# Altium PCB MB1137.PcbDoc (part 1 of 4) (continued)
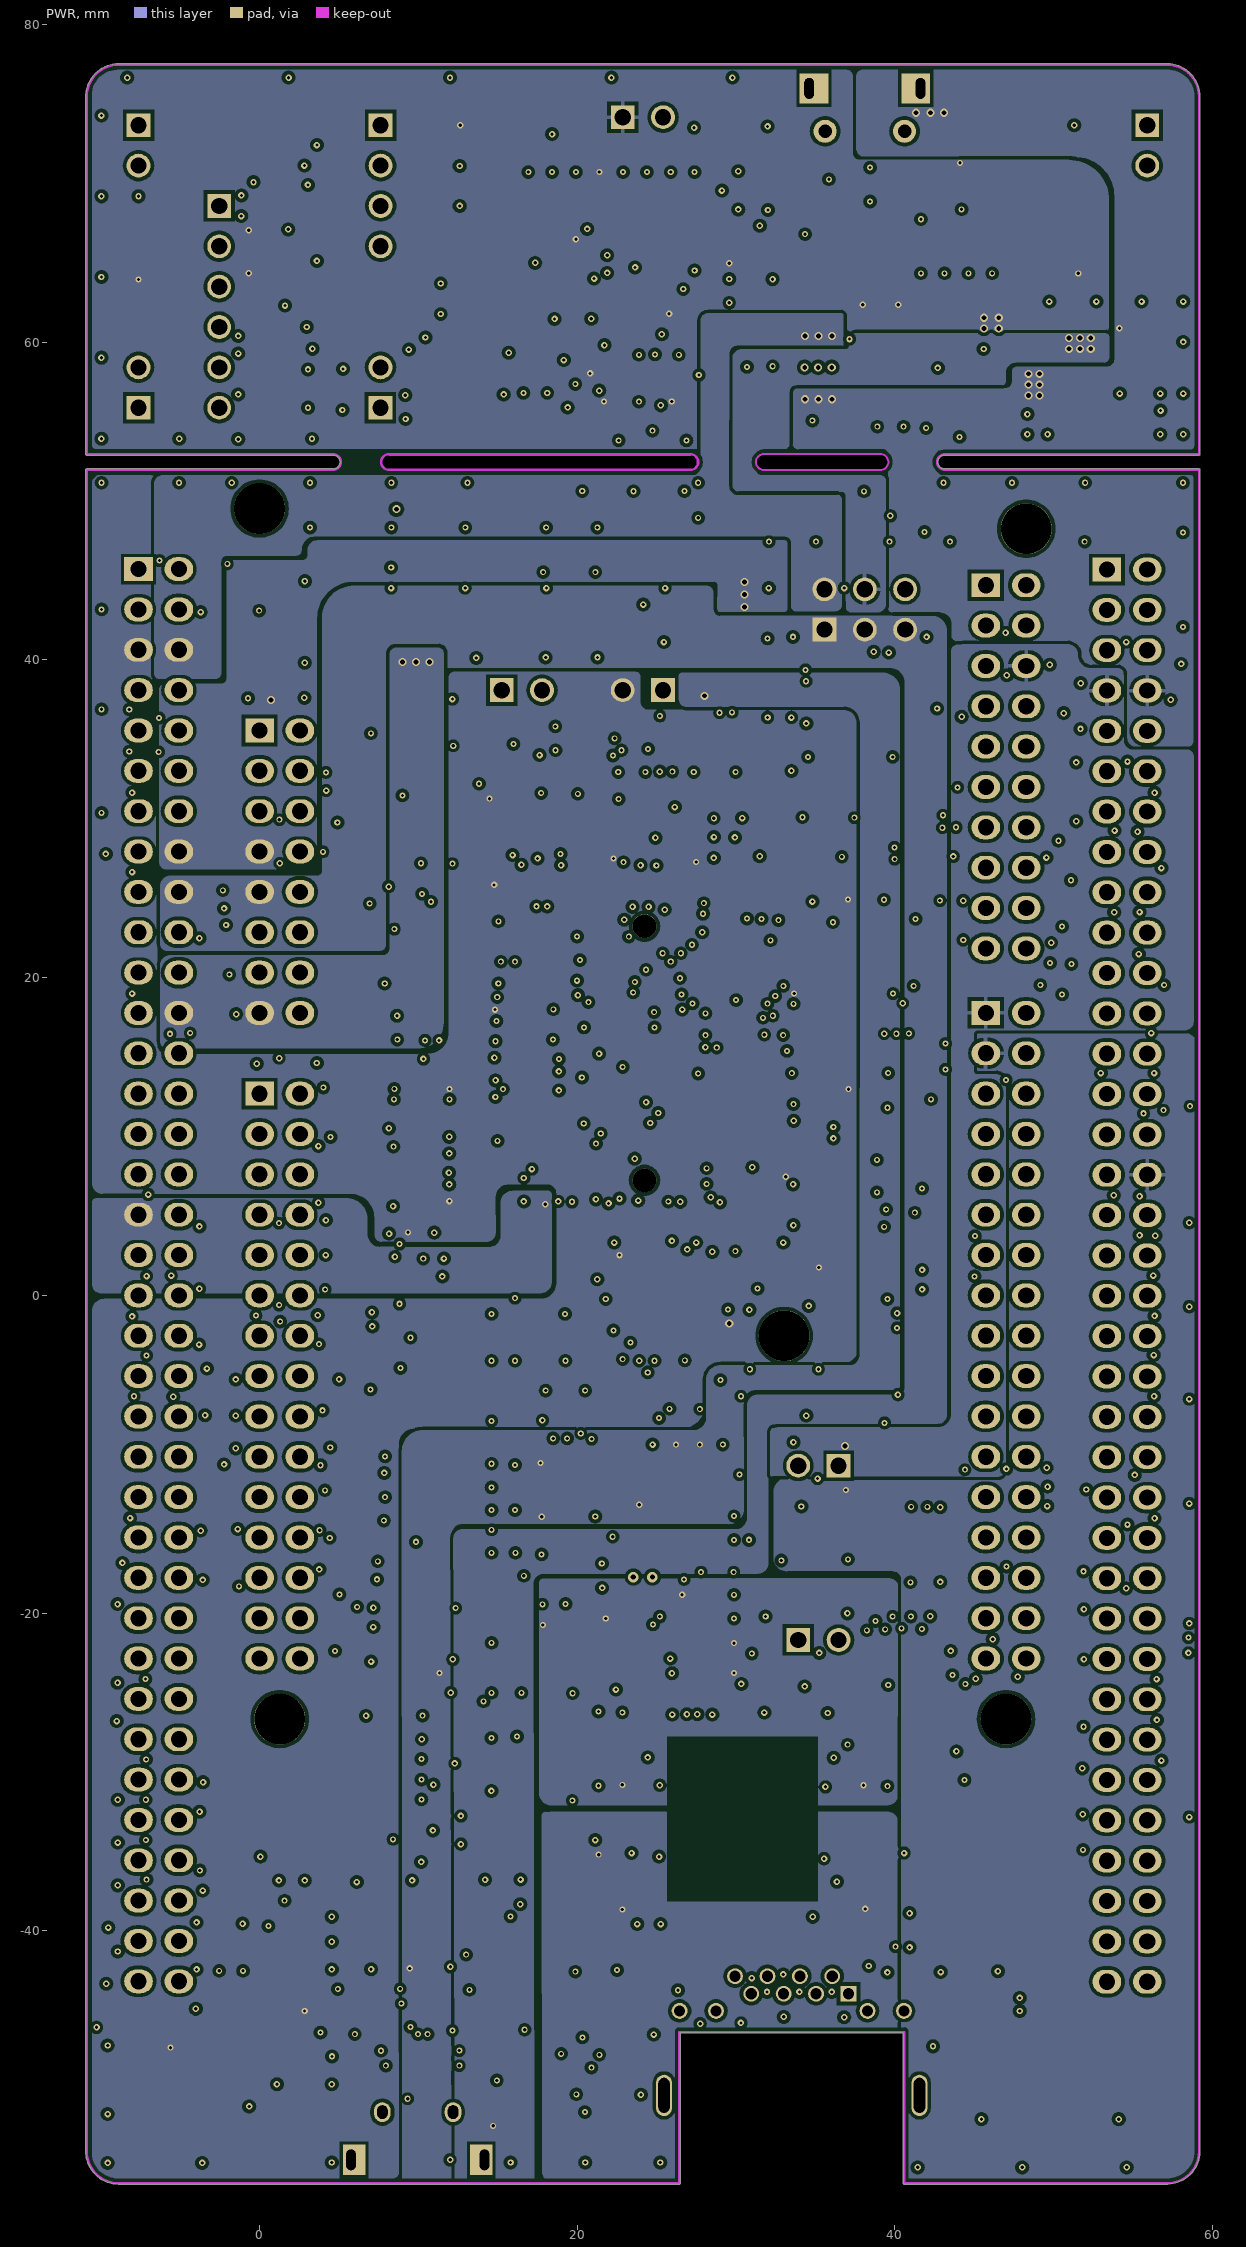
[diagram p4: PWR]
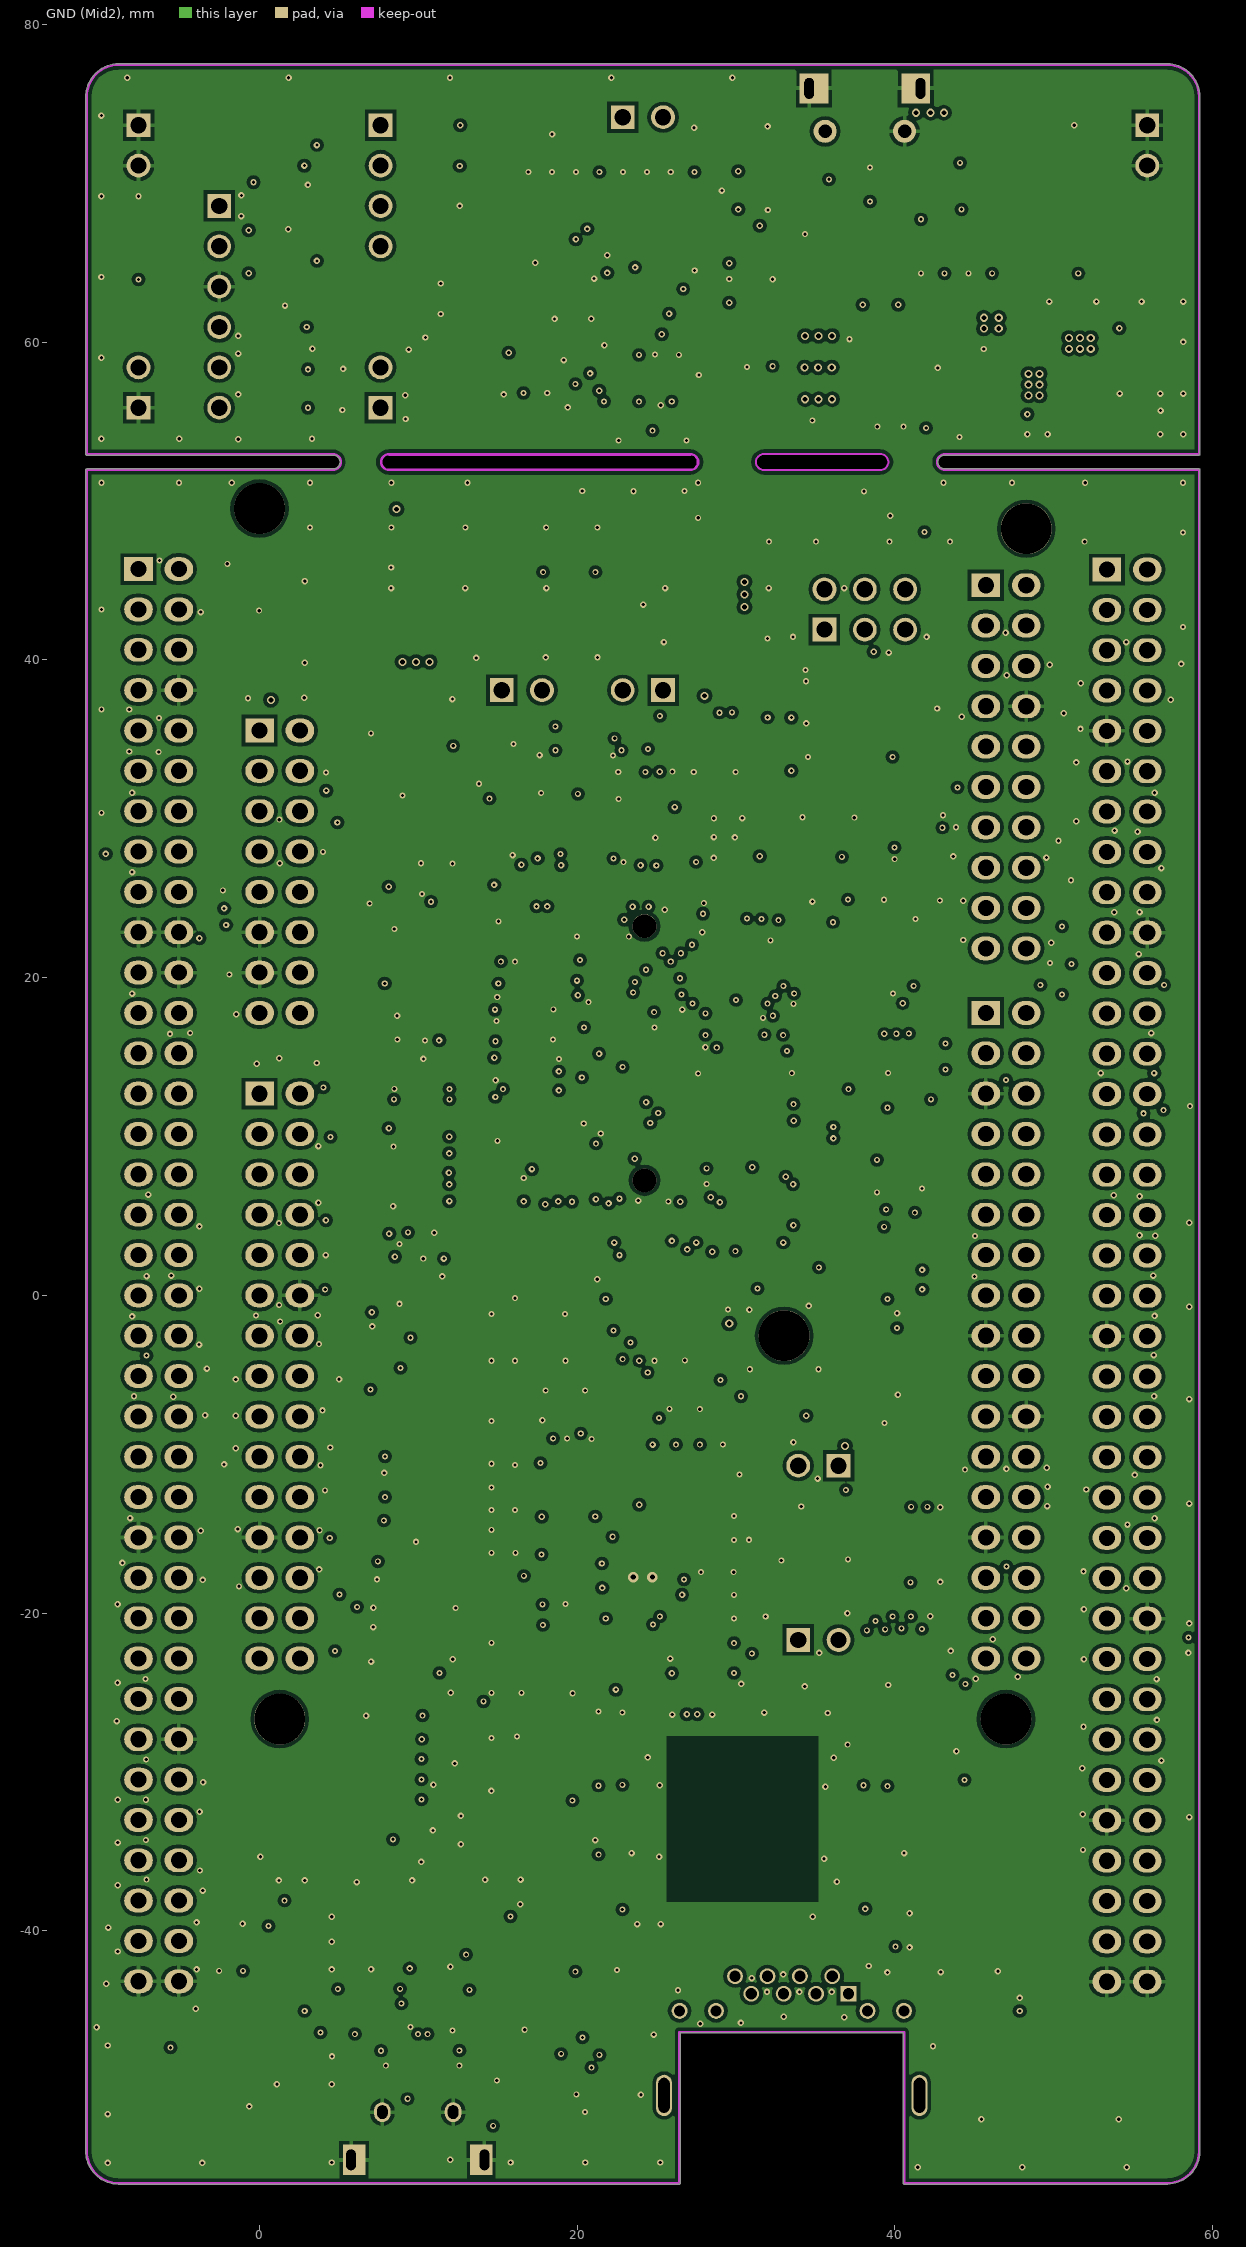
[diagram p5: GND (Mid2)]

## Layer stack, top to bottom
Top Solder: solder mask 0.0102, Solder Resist, Dk 3.5
Top Layer: signal copper 0.0356
Dielectric1: core 0.4, FR-4, Dk 4.8
GND: signal copper 0.0356
Dielectric2: prepreg 0.24, FR-4, Dk 4.8
Signal: signal copper 0.0356
Dielectric4: core 0.32, FR-4, Dk 4.8
PWR: signal copper 0.0356
Dielectric5: prepreg 0.32, FR-4, Dk 4.8
GND (Mid2): signal copper 0.0356
Dielectric3: core 0.4, FR-4, Dk 4.8
Bottom Layer: signal copper 0.0356
Bottom Solder: solder mask 0.0102, Solder Resist, Dk 3.5

## Board outline
-10.934,-53.88 ccw(c-8.87,-53.88) -8.886,-55.944 ccw(c-8.874,-55.881) -8.874,-55.945 26.416,-55.945 ccw(c26.416,-55.881) 26.48,-55.881 26.48,-46.423 40.525,-46.423 40.525,-55.881 ccw(c40.589,-55.881) 40.589,-55.945 57.126,-55.945 ccw(c57.126,-55.881) 57.152,-55.94 ccw(c57.126,-53.876) 59.19,-53.902 ccw(c59.13,-53.88) 59.194,-53.88 59.194,51.96 ccw(c59.13,51.96) 59.13,52.024 43.13,52.024 cw(c43.13,51.96) 43.131,52.024 43.13,52.024 cw(c43.13,52.46) 43.13,52.896 59.129,52.896 ccw(c59.13,52.96) 59.194,52.96 59.194,75.46 ccw(c59.13,75.46) 59.194,75.461 cw(c57.13,75.46) 59.194,75.46 59.194,75.461 ccw(c57.13,75.46) 57.131,77.524 ccw(c57.13,75.46) 57.13,77.524 cw(c57.13,77.46) 57.131,77.524 57.13,77.524 -8.87,77.524 ccw(c-8.87,77.46) -8.871,77.524 cw(c-8.87,75.46) -8.87,77.524 -8.871,77.524 ccw(c-8.87,75.46) -10.934,75.46 -10.934,52.96 ccw(c-10.87,52.96) -10.87,52.896 4.63,52.896 cw(c4.63,52.96) 4.629,52.896 4.63,52.896 cw(c4.63,52.46) 5.066,52.46 cw(c4.63,52.46) 4.63,52.024 -10.87,52.024 ccw(c-10.87,51.96) -10.934,51.96
cut-out: 8.13,52.024 8.131,52.024 14.463,52.024 27.13,52.024 cw(c27.13,51.96) 27.131,52.024 ccw(c27.13,52.46) 27.566,52.46 ccw(c27.13,52.46) 27.13,52.896 cw(c27.13,52.96) 27.129,52.896 27.13,52.896 14.463,52.896 27.129,52.896 14.463,52.896 8.13,52.896 ccw(c8.13,52.96) 8.131,52.896 8.13,52.896 14.463,52.896 8.13,52.896 ccw(c8.13,52.46)
cut-out: 31.75,51.96 cw(c31.75,52.46) 31.75,52.96 39.08,52.96 cw(c39.08,52.46) 39.08,51.96

## Design rules (kind name [scope] priority, off if disabled: settings)
Clearance "U9 PWR TRACK" [(ObjectKind = 'Track') vs (ObjectKind = 'Pad') And (Component = 'U9')] p1: gap=0.203 ignorepadtopadclearanceinfootprint=FALSE except(0: Arc-Hole Track-Hole SMDPad-Hole THPad-Hole Via-Hole Fill-Hole Poly-Hole Region-Hole Text-Hole)
Clearance "U8 PWR TRACK" [(ObjectKind = 'Track') vs (ObjectKind = 'Pad') And (Component = 'U8')] p2: gap=0.203 ignorepadtopadclearanceinfootprint=FALSE except(0: Arc-Hole Track-Hole SMDPad-Hole THPad-Hole Via-Hole Fill-Hole Poly-Hole Region-Hole Text-Hole)
Clearance SB [(HasFootprint('SB_0603')) or (HasFootprint('JP2_SMD'))] p3: gap=0.127 ignorepadtopadclearanceinfootprint=FALSE except(0: Arc-Hole Track-Hole SMDPad-Hole THPad-Hole Via-Hole Fill-Hole Poly-Hole Region-Hole Text-Hole)
Clearance CN1_PAD [(ObjectKind = 'Pad') And (Component = 'CN1') vs (ObjectKind = 'Pad') And (Component = 'CN1')] p4: gap=0.203 ignorepadtopadclearanceinfootprint=FALSE except(0: Arc-Hole Track-Hole SMDPad-Hole THPad-Hole Via-Hole Fill-Hole Poly-Hole Region-Hole Text-Hole)
Clearance U6_PAD [(ObjectKind = 'Pad') And (Component = 'D6') vs (ObjectKind = 'Pad') And (Component = 'D6')] p5: gap=0.203 ignorepadtopadclearanceinfootprint=FALSE except(0: Arc-Hole Track-Hole SMDPad-Hole THPad-Hole Via-Hole Fill-Hole Poly-Hole Region-Hole Text-Hole)
Clearance CN13_PAD [(ObjectKind = 'Pad') And (Component = 'CN13') vs (ObjectKind = 'Pad') And (Component = 'CN13')] p6: gap=0.178 ignorepadtopadclearanceinfootprint=FALSE except(0: Arc-Hole Track-Hole SMDPad-Hole THPad-Hole Via-Hole Fill-Hole Poly-Hole Region-Hole Text-Hole)
Clearance U9_PAD [(ObjectKind = 'Pad') And (Component = 'U9') vs (ObjectKind = 'Pad') And (Component = 'U9')] p7: gap=0.203 ignorepadtopadclearanceinfootprint=FALSE except(0: Arc-Hole Track-Hole SMDPad-Hole THPad-Hole Via-Hole Fill-Hole Poly-Hole Region-Hole Text-Hole)
Clearance U8_PAD [(ObjectKind = 'Pad') And (Component = 'U8') vs (ObjectKind = 'Pad') And (Component = 'U8')] p8: gap=0.198 ignorepadtopadclearanceinfootprint=FALSE except(0: Arc-Hole Track-Hole SMDPad-Hole THPad-Hole Via-Hole Fill-Hole Poly-Hole Region-Hole Text-Hole)
Clearance Polygon [(ObjectKind = 'Poly')] p9: gap=0.254 ignorepadtopadclearanceinfootprint=FALSE except(0: Arc-Hole Track-Hole SMDPad-Hole THPad-Hole Via-Hole Fill-Hole Poly-Hole Region-Hole Text-Hole)
Clearance [All] p10: gap=0.226 ignorepadtopadclearanceinfootprint=FALSE except(0: Arc-Hole Track-Hole SMDPad-Hole THPad-Hole Via-Hole Fill-Hole Poly-Hole Region-Hole Text-Hole)
DiffPairsRouting [All] p1: maxlimit=0.254 minlimit=0.226 mostfreqgap=0.226 toplayer_minwidth=0.381 toplayer_maxwidth=0.381 toplayer_prefwidth=0.381 midlayer1_minwidth=0.381 midlayer1_maxwidth=0.381 midlayer1_prefwidth=0.381 midlayer2_minwidth=0.381 midlayer2_maxwidth=0.381 midlayer2_prefwidth=0.381 midlayer3_minwidth=0.381 midlayer3_maxwidth=0.381 midlayer3_prefwidth=0.381 midlayer4_minwidth=0.381 midlayer4_maxwidth=0.381 midlayer4_prefwidth=0.381 bottomlayer_minwidth=0.381 bottomlayer_maxwidth=0.381 bottomlayer_prefwidth=0.381 maxuncoupledlength=12.7
FabricationTestPointUsage TestPointUsage [All] p1: valid=0 allowmultiple=FALSE
FabricationTestpoint Testpoint [(IsPad And (OnTopLayer Or OnBottomLayer))] p1: side=3 testpointundercomponent=TRUE minsize=1.016 maxsize=2.54 preferedsize=1.524 minholesize=0 maxholesize=1.016 preferedholesize=0.813 testpointgrid=0.025 allowsidetop=TRUE allowsidebottom=TRUE usegrid=TRUE gridtolerance=0
HoleSize [All] p1: absolutevalues=TRUE maxlimit=3.81 minlimit=0.025 maxpercent=80.000 minpercent=20.000
MatchedLengths "Schematic Matched Net Lengths_3" [InNet('TD_P')] p1: tolerance=2.54 checknetsindiffpair=TRUE checkdiffpairvsdiffpair=FALSE checkxsignals=FALSE checkothers=FALSE
MatchedLengths "Schematic Matched Net Lengths_2" [InNet('TD_N')] p2: tolerance=2.54 checknetsindiffpair=TRUE checkdiffpairvsdiffpair=FALSE checkxsignals=FALSE checkothers=FALSE
MatchedLengths "Schematic Matched Net Lengths_1" [InNet('RD_P')] p3: tolerance=2.54 checknetsindiffpair=TRUE checkdiffpairvsdiffpair=FALSE checkxsignals=FALSE checkothers=FALSE
MatchedLengths "Schematic Matched Net Lengths" [InNet('RD_N')] p4: tolerance=2.54 checknetsindiffpair=TRUE checkdiffpairvsdiffpair=FALSE checkxsignals=FALSE checkothers=FALSE
MinimumSolderMaskSliver [All] p1: minsoldermaskwidth=0.013
PolygonConnect VBAT [(ObjectKind = 'Poly') And (Net = 'VBAT')] p1: connectstyle=Direct reliefconductorwidth=0.254 reliefentries=4 polygonreliefangle="90 Angle" airgapwidth=0.254
PolygonConnect VDD [(ObjectKind = 'Poly') And (Net = 'VDD')] p2: connectstyle=Direct reliefconductorwidth=0.254 reliefentries=4 polygonreliefangle="90 Angle" airgapwidth=0.254
PolygonConnect VIN [(ObjectKind = 'Poly') And (Net = 'VIN')] p3: connectstyle=Direct reliefconductorwidth=0.254 reliefentries=4 polygonreliefangle="90 Angle" airgapwidth=0.254
PolygonConnect +3V3 [(ObjectKind = 'Poly') And (Net = '+3V3')] p4: connectstyle=Direct reliefconductorwidth=0.254 reliefentries=4 polygonreliefangle="90 Angle" airgapwidth=0.254
PolygonConnect E5V [(ObjectKind = 'Poly') And (Net = 'E5V')] p5: connectstyle=Direct reliefconductorwidth=0.254 reliefentries=4 polygonreliefangle="90 Angle" airgapwidth=0.254
PolygonConnect +5V [(ObjectKind = 'Poly') And (Net = '+5V')] p6: connectstyle=Direct reliefconductorwidth=0.254 reliefentries=4 polygonreliefangle="90 Angle" airgapwidth=0.254
PolygonConnect U5V [(ObjectKind = 'Poly') And (Net = 'NetC17_2')] p7: connectstyle=Direct reliefconductorwidth=0.254 reliefentries=4 polygonreliefangle="90 Angle" airgapwidth=0.254
PolygonConnect VIA [IsVia] p8: connectstyle=Direct reliefconductorwidth=0.508 reliefentries=4 polygonreliefangle="90 Angle" airgapwidth=0.254
PolygonConnect [All] p9: connectstyle=Relief reliefconductorwidth=0.254 reliefentries=4 polygonreliefangle="90 Angle" airgapwidth=0.254
RoutingLayers [All] p1: top layer_v5=FALSE mid layer 1_v5=FALSE mid layer 2_v5=FALSE mid layer 3_v5=FALSE mid layer 4_v5=FALSE bottom layer_v5=FALSE
RoutingVias [All] p1: holewidth=0.305 width=0.508 viastyle="Through Hole" minholewidth=0.203 minwidth=0.381 maxholewidth=0.711 maxwidth=1.27
SilkToSilkClearance [All] p1: silktosilkclearance=0.102
SilkToSolderMaskClearance SilkscreenOverComponentPads [IsPad] p1: minsilkscreentomaskgap=0.102 clearancetoexposedcopper=TRUE
SolderMaskExpansion [All] p1: expansion=0.102 istentingtop=FALSE
Width PWR [InNetClass('PWR')] p1: maxlimit=2.54 minlimit=0.203 preferedwidth=0.254 midlayer1_minwidth=0.254 midlayer2_minwidth=0.254 midlayer3_minwidth=0.254 midlayer4_minwidth=0.254 bottomlayer_minwidth=0.254 minimp=50.000000 maximp=50.000000 favimp=50.000000
Width [All] p2: maxlimit=2.54 minlimit=0.127 preferedwidth=0.127 minimp=50.000000 maximp=50.000000 favimp=50.000000
22 further rules are at their usual default settings.

## Classes and differential pairs
component class U_USB: C54 CN13 D6 LD7 LD8 R61 R62 R63 R64 R68 R69 R70 R71 R72 R76 SB184 SB185 SB186 SB187 T2 U12
component class U_Ethernet: C40 C41 C42 C43 C44 C45 C46 C47 C48 C49 C50 C51 CN14 L2 R39 R40 R41 R42 R43 R44 R45 R46 R47 R48 R49 R50 R51 R52 R53 R54 R55 R56 R57 R65 R66 R67 SB16 SB17 SB177 U9 U10 U11 X4
component class U_MCU_144: B1 B2 C21 C24 C25 C26 C27 C28 C29 C30 C31 C32 C33 C34 C35 C36 C37 C38 C39 C52 C53 C55 C56 C57 C58 JP4 JP6 JP7 L1 LD2 LD3 R30 R31 R35 R36 R37 R38 R58 R59 R60 R73 SB5 SB6 SB8 SB9 SB12 SB13 SB118 SB123 SB124 SB125 SB127 SB129 SB132 SB133 SB139 SB142 SB149 SB152 SB153 SB154 SB155 SB156 SB160 SB161 SB162 SB164 SB166 SB173 SB178 SB180 SB181 SB182 SB183 TP1 U8 X2 X3
component class MB1137: C11 C16 C17 C18 C19 C20 C22 C23 JP3 JP5 LD5 LD6 R21 R27 R28 R29 SB1 SB2 SB3 U4 U5 U6
net class PH[0..2]: PH0 PH1 PH2
net class PG[0..15]: PG0 PG1 PG2 PG3 PG4 PG5 PG6 PG7 PG8 PG9 PG10 PG11 PG12 PG13 PG14 PG15
net class PF[0..15]: PF0 PF1 PF2 PF3 PF4 PF5 PF6 PF7 PF8 PF9 PF10 PF11 PF12 PF13 PF14 PF15
net class PE[0..15]: PE0 PE1 PE2 PE3 PE4 PE5 PE6 PE7 PE8 PE9 PE10 PE11 PE12 PE13 PE14 PE15
net class PD[0..15]: PD0 PD1 PD2 PD3 PD4 PD5 PD6 PD7 PD8 PD9 PD10 PD11 PD12 PD13 PD14 PD15
net class PA[0..15]: PA0 PA1 PA2 PA3 PA4 PA5 PA6 PA7 PA8 PA9 PA10 PA11 PA12 PA13 PA14 PA15
net class PB[0..15]: PB0 PB1 PB2 PB3 PB4 PB5 PB6 PB7 PB8 PB9 PB10 PB11 PB12 PB13 PB14 PB15
net class PC[0..15]: PC0 PC1 PC2 PC3 PC4 PC5 PC6 PC7 PC8 PC9 PC10 PC11 PC12 PC13 PC14 PC15
component class U_ST_LINK_V2-1: C1 C2 C3 C4 C5 C6 C7 C8 C9 C10 C12 C13 C14 C15 CN1 CN2 CN3 CN4 CN5 CN6 D1 D2 D3 D4 D5 JP1 JP2 LD4 R1 R2 R3 R4 R5 R6 R7 R8 R9 R10 R11 R12 R13 R14 R15 R16 R17 R18 R19 R20 R22 R23 R24 R25 R26 SB101 SB102 SB103 SB104 SB105 SB106 SB107 SB108 SB109 SB110 SB111 SB112 T1 U1 U2 U3 X1
component class U_Connectors: CN7 CN8 CN9 CN10 CN11 CN12 LD1 R32 R33 R34 SB4 SB7 SB10 SB11 SB14 SB15 SB113 SB114 SB115 SB116 SB117 SB119 SB120 SB121 SB122 SB126 SB128 SB130 SB131 SB134 SB135 SB136 SB137 SB138 SB140 SB141 SB143 SB144 SB145 SB146 SB147 SB148 SB150 SB151 SB157 SB158 SB159 SB163 SB165 SB167 SB168 SB169 SB170 SB171 SB172 SB174 SB175 SB176 SB179 U7
differential pair TD: +TD_P -TD_N
differential pair RD: +RD_P -RD_N
differential pair NewDifferentialPair1: +NetCN13_3 -NetCN12_2
differential pair NewDifferentialPair2: +NetCN13_2 -NetCN13_3

## Components (designator, comment, footprint, x,y, rotation, side; value= is the part's Value field where it differs from the comment)
B1 "USER (Blue)" PB-6X6mm-Blue -3.099,-49.606 r180 top
B2 "TD-0341 [RESET/Black]" PB-6X6mm-Black 51.537,-49.606 r180 top
C1 "100nF" 0603C 19.914,68.986 r270 top
C2 "100nF" 0603C 22.885,68.986 r270 top
C3 "100nF" 0603C 31.496,64.973 r180 top
C4 "100nF" 0603C 41.631,66.065 r90 top
C5 "10pF" 0603C 13.132,63.703 r180 top
C6 "10pF" 0603C 13.132,61.773 r180 top
C7 "20pF[N/A]" 0603C 31.496,59.969 r180 top
C8 "100nF" 0603C 43.078,60.376 r90 top locked
C9 "1uF_X5R_0603" 0603C 44.577,60.376 r270 top
C10 "100nF" 0603C 36.525,55.067 r0 top
C11 "100nF" 0603C 54.915,55.702 r180 top
C12 "100nF" 0603C 22.606,55.474 r90 top
C13 "100nF" 0603C 26.873,55.474 r90 top
C14 "1uF_X5R_0603" 0603C 39.04,56.413 r90 top
C15 "10nF_X7R_0603" 0603C 40.538,56.413 r90 top
C16 "4.7uF" TAN-A 44.069,56.363 r90 top
C17 "10uF(25V)" TAN-B 4.394,41.935 r0 top
C18 "10uF" TAN-A 21.539,43.485 r180 top
C19 "100nF" 0603C 31.979,38.583 r270 top
C20 "1uF_X5R_0603" 0603C 33.477,38.583 r90 top
C21 "4.7uF_X5R_0603" 0603C 25.984,34.696 r270 top
C22 "100nF" 0603C 35.458,34.696 r90 top
C23 "1uF_X5R_0603" 0603C 36.957,34.696 r270 top
C24 "100nF" 0603C 14.554,29.235 r90 top
C25 "100nF" 0603C 22.631,29.235 r90 top
C26 "100nF" 0603C 27.483,28.956 r90 top
C27 "100nF" 0603C 37.871,24.003 r0 top
C28 "100nF" 0603C 10.338,17.983 r180 top
C29 "100nF" 0603C 37.871,18.999 r0 top
C30 "100nF" 0603C 10.211,13.005 r180 top
C31 "100nF" 0603C 37.871,13.995 r0 top
C32 "100nF" 0603C 37.871,7.493 r0 top
C33 "100nF" 0603C 10.211,6.401 r180 top
C34 "100nF" 0603C 30.683,1.651 r180 top
C35 "2pF" 0603C 18.009,-4.267 r270 top
C36 "2pF" 0603C 20.498,-4.267 r270 top
C37 "4.3pF[N/A]" 0603C 25.806,-5.41 r270 top
C38 "4.3pF[N/A]" 0603C 27.711,-5.436 r270 top
C39 "100nF" 0603C 33.63,-7.554 r270 top
C40 "100nF" 0603C 23.216,-11.354 r270 top
C41 "1uF_X5R_0603" 0603C 28.143,-13.894 r0 top
C42 "470pF" 0603C 28.143,-15.392 r180 top
C43 "30pF" 0603C 37.236,-14.783 r0 top
C44 "100nF" 0603C 28.143,-18.847 r180 top
C45 "30pF" 0603C 37.236,-18.593 r0 top
C46 "10uF" TAN-A 15.215,-19.939 r0 top
C47 "100nF" 0603C 20.066,-20.345 r0 top
C48 "100nF" 0603C 17.043,-21.869 r0 top
C49 "100nF" 0603C 22.835,-29.083 r270 top
C50 "100nF" 0603C 38.024,-29.083 r270 top
C51 "TC1206KKX7RDBB102" 1206C 21.184,-33.172 r0 top
C52 "[N/A]" 0603C 0.457,-44.247 r270 top
C53 "100nF" 0603C 46.482,-44.247 r270 top
C54 "4.7uF" TAN-A 17.856,-51.41 r180 top
C55 "2.2uF_X7R" TAN-A 10.795,30.099 r270 bottom
C56 "2.2uF_X7R" TAN-A 38.684,23.673 r180 bottom
C57 "1uF_X5R_0603" 0603C 19.804,1.981 r0 bottom
C58 "100nF" 0603C 23.266,0.94 r270 bottom
CN1 "1050170001" Molex_1050170001 38.1,73.279 r180 top locked
CN2 "" HDR_1x2_2R54_V_M -7.62,73.66 r270 top locked
CN3 "" HDR_1x2_2R54_V_M 55.88,73.66 r270 top locked
CN4 "Header 4" HDR_1x4_2R54_V_M 7.62,73.66 r270 top locked
CN5 "" HDR_1x2_2R54_V_M_S 7.612,55.88 r90 top locked
CN6 "Header 6X1" HDR_1x6_2R54_V_M -2.54,68.58 r270 top locked
CN7 "Header 10X2_Female" HDR_10x2_2R54_V_F 45.72,44.704 r270 top locked
CN8 "Header 8X2_Female" HDR_8x2_2R54_V_F 0,35.56 r270 top locked
CN9 "Header 15X2_Female" HDR_15x2_2R54_V_F 0,12.7 r270 top locked
CN10 "Header 17X2_Female" HDR_17x2_2R54_V_F 45.72,17.78 r270 top locked
CN11 "Header 36X2" HDR_2x36_2R54_V_M -7.62,45.72 r270 top locked
CN12 "Header 36X2" HDR_2x36_2R54_V_M 53.34,45.695 r270 top locked
CN13 "475900001" MOLEX_47590001 9.957,-51.74 r0 top locked
CN14 "KRJ-CB4.2GYZNL" RJ45_KRJ-CB4.2GYZNL 33.503,-46.609 r0 top locked
D1 "BAT60JFILM" SOD-323 0.864,71.882 r0 top
D2 "BAT60JFILM" SOD-323 29.134,69.545 r90 top
D3 "BAT60JFILM" SOD-323 36.119,61.163 r0 top
D4 "BAT60JFILM" SOD-323 36.093,59.182 r0 top
D5 "BAT60JFILM" SOD-323 36.119,57.175 r0 top
D6 "ESDA6V1BC6" SOT23-6L 10.262,-48.489 r0 top
JP1 "" HDR_1x2_2R54_V_M_S 22.86,74.168 r0 top locked
JP2 "" HDR_1x2_2R54_V_M_S -7.62,55.88 r90 top locked
JP3 "Header 3X2" HDR_3x2_2R54_V_M 35.56,41.91 r0 top locked
JP4 "" HDR_1x2_2R54_V_M_S 15.24,38.1 r0 top locked
JP5 "" HDR_1x2_2R54_V_M_S 25.4,38.1 r180 top
JP6 "" HDR_1x2_2R54_V_M_S 36.449,-10.719 r180 top
JP7 "" HDR_1x2_2R54_V_M_S 33.909,-21.692 r0 top
L1 "BEAD" 0603L 35.103,-7.569 r90 top
L2 "BEAD" 0603L 17.069,-23.774 r0 top
LD1 "Green" 0603D-G 25.502,49.784 r270 top
LD2 "Blue" 0603D-B 22.327,49.784 r270 top
LD3 "Red" 0603D-R 19.075,49.784 r270 top
LD4 "LD_BICOLOR_CMS" HSMF-A201 49.276,72.161 r270 top
LD5 "Red" 0603D-R 54.864,58.268 r0 top
LD6 "Green" 0603D-G 36.856,49.767 r270 top
LD7 "Red" 0603D-R 6.147,-44.45 r270 top
LD8 "Green" 0603D-G 18.263,-44.196 r270 top
R1 "100[N/A]" 0603R 1.27,70.079 r180 top
R2 "10K" 0603R 1.27,68.58 r0 top
R3 "10K[N/A]" 0603R 16.916,68.986 r270 top
R4 "10K" 0603R 18.415,68.986 r270 top
R5 "100K" 0603R 21.387,68.986 r90 top
R6 "100K" 0603R 24.384,68.986 r270 top
R7 "4K7" 0603R 25.883,68.986 r90 top
R8 "2K7" 0603R 27.381,68.986 r270 top locked
R9 "1K5" 0603R 35.839,68.529 r90 top
R10 "22" 0603R 1.27,66.04 r0 top
R11 "100K" 0603R 34.341,68.529 r270 top
R12 "10K" 0603R 46.119,66.065 r270 top
R13 "100" 0603R 48.514,66.065 r90 top
R14 "0" 0603R 51.537,66.065 r270 top
R15 "100" 0603R 43.122,66.065 r270 top
R16 "36K" 0603R 44.62,66.065 r90 top
R17 "100" 0603R 50.013,66.065 r90 top
R18 "[N/A]" 0603R -7.62,62.23 r270 top
R19 "22" 0603R 1.27,60.96 r0 top
R20 "100" 0603R 31.496,61.468 r0 top
R21 "1K" 0603R 54.915,59.944 r0 top
R22 "22" 0603R 1.27,58.293 r0 top
R23 "22" 0603R 1.27,55.88 r0 top
R24 "4K7" 0603R 18.11,58.539 r90 top
R25 "4K7" 0603R 16.612,58.539 r90 top
R26 "100" 0603R 28.372,55.474 r270 top
R27 "10K" 0603R 42.037,56.413 r270 top
R28 "2K7" 0603R 54.915,54.204 r180 top
R29 "1K" 0603R 41.859,49.835 r270 top
R30 "1K" 0603R 19.069,46.329 r90 top
R31 "680" 0603R 22.301,46.33 r90 top
R32 "510" 0603R 25.502,46.33 r90 top
R33 "200K" 0603R 38.659,34.696 r270 top
R34 "10K" 0603R 40.894,34.696 r270 top
R35 "10K" 0603R 18.974,29.566 r90 top
R36 "10K" 0603R 10.211,9.474 r180 top
R37 "0" 0603R 18.517,0.895 r90 top
R38 "0" 0603R 20.015,0.889 r90 top
R39 "10K" 0603R 18.694,-11.354 r270 top
R40 "33" 0603R 20.219,-11.354 r90 top
R41 "10K" 0603R 21.717,-11.354 r90 top
R42 "33" 0603R 24.714,-11.354 r90 top
R43 "10K" 0603R 26.213,-11.354 r270 top
R44 "10K" 0603R 27.711,-11.354 r270 top
R45 "33" 0603R 29.21,-11.354 r90 top
R46 "1K5" 0603R 19.431,-13.919 r180 top
R47 "10K" 0603R 19.431,-15.418 r0 top
R48 "33" 0603R 19.431,-16.916 r180 top
R49 "12K1" 0603R 28.143,-20.345 r0 top
R50 "50" 0603R 28.143,-21.895 r0 top
R51 "50" 0603R 28.143,-23.774 r0 top
R52 "50" 0603R 20.066,-21.869 r180 top
R53 "50" 0603R 20.066,-23.8 r180 top
R54 "75" 0603R 19.837,-36.932 r270 top
R55 "75" 0603R 21.344,-36.932 r270 top
R56 "75" 0603R 22.835,-36.932 r90 top
R57 "75" 0603R 38.125,-36.932 r90 top
R58 "220K" 0603R -2.54,-44.247 r90 top
R59 "330" 0603R -1.041,-44.247 r90 top
R60 "100" 0603R 1.956,-44.247 r90 top
R61 "620" 0603R 7.899,-44.526 r90 top
R62 "430K" 0603R 10.643,-44.526 r90 top
R63 "620K" 0603R 12.141,-44.526 r270 top
R64 "330" 0603R 19.888,-44.247 r90 top